# KiCad board brownbox.kicad_pcb (continued)
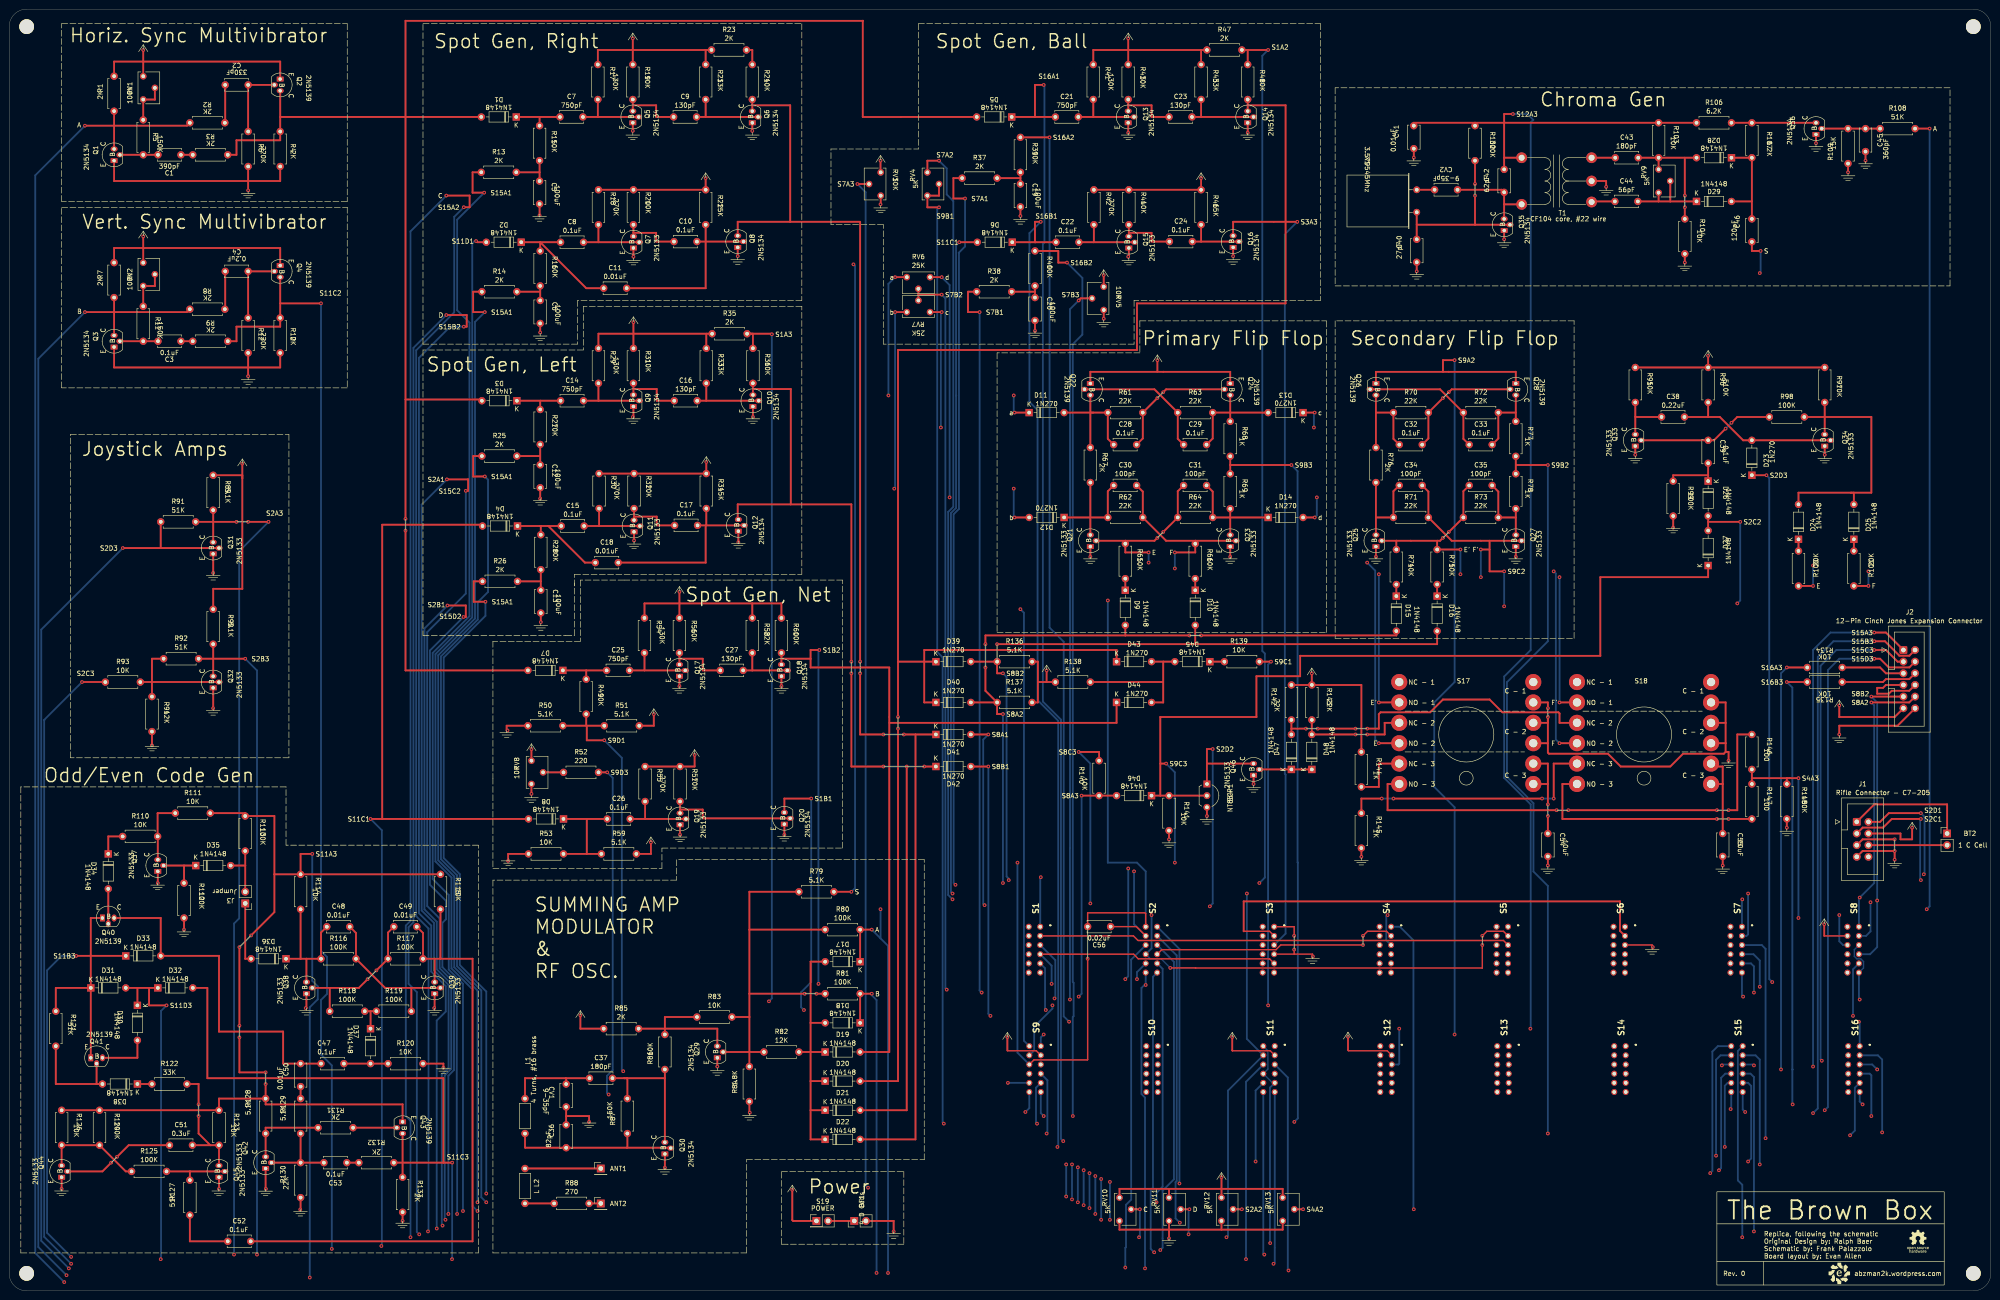
[diagram p0: board, top side]
## Routing (per net, layer and track width the routed paths; a pad name or vN(x,y) marks a point on that pad's centre or on a via; arc(x,y) is an arc through that point) (continued)
S15D3: length 142.1
  Top w0.4: v1(406.4,137.79) 407.67,137.79 409.56,135.91 414.04,135.91 J2.D
  In2.Cu w0.4: v1(375.1,39.62) 375.27,39.78 395.19,39.78 v1(395.61,39.37)
  Bottom w0.4: S15.D3 375.23,39.75 v1(375.1,39.62) ; v1(395.61,39.37) 396.3,40.06 396.3,135.31 398.78,137.79 v1(406.4,137.79)
S16A1: length 451.8
  Top w0.4: D5.1 223.52,255.9 ; 223.52,255.9 223.52,262.89 v1(225.43,262.89) ; 223.52,255.9 C21.1
  In2.Cu w0.4: v1(229.69,32.63) 230.33,31.99 369.56,31.99 372.28,34.7 407.96,34.7 v1(408.12,34.54)
  Bottom w0.4: v1(408.12,34.54) 408.12,50.41 407.2,51.34 S16.A1 ; v1(225.43,262.89) 225.59,262.72 225.59,228.56 225.24,228.21 225.24,128.46 229.18,124.52 229.18,33.14 v1(229.69,32.63)
S16A2: length 378.4
  Top w0.4: R39.1 v1(226.69,251.46)
  In2.Cu w0.4: v1(230.96,58.67) v1(403.04,58.67)
  Bottom w0.4: v1(230.96,58.67) 229.78,59.84 229.78,141.49 226.69,144.58 v1(226.69,251.46) ; S16.A2 403.23,58.49 v1(403.04,58.67)
S16A3: length 118
  Top w0.4: R134.2 v1(387.35,135.89)
  In2.Cu w0.3: v1(386.08,48.26) 386.19,48.14 393.38,48.14 393.57,48.34 406.95,48.34 v1(407.04,48.26)
  Bottom w0.4: v1(386.08,48.26) 386.08,134.62 v1(387.35,135.89) ; S16.A3 405.95,49.34 v1(407.04,48.26)
S16B1: length 406.9
  Top w0.4: 223.66,228.6 223.52,228.6 223.52,233.04 v1(224.79,233.04) ; 223.66,228.6 C22.1 ; 223.66,228.6 D6.1
  In2.Cu w0.4: v1(401.14,33.9) 383.36,33.9 383.19,34.07 372.49,34.07 369.81,31.39 231.17,31.39 231.14,31.37 v1(228.42,31.37)
  Bottom w0.4: S16.B1 402.18,44.29 402.18,34.94 v1(401.14,33.9) ; v1(224.79,233.04) 222.32,230.57 222.32,193.78 224.09,192.02 224.09,128.77 228.58,124.27 228.58,31.53 v1(228.42,31.37)
S16B2: length 384.1
  Top w0.4: v1(230.5,224.15) 228.6,224.15 228.6,226.69 R40.1
  In2.Cu w0.4: v1(405.76,38.1) 405.13,37.46 392.43,37.46 391.8,38.1 v1(231.78,38.1)
  Bottom w0.4: v1(231.78,38.1) 231.76,38.12 231.76,59.69 231.94,59.87 231.94,67.14 231.76,67.33 231.76,206.37 233.85,208.46 233.85,220.81 v1(230.5,224.15) ; v1(405.76,38.1) 405.76,46.99 405.42,47.34 S16.B2
S16B3: length 115.2
  Top w0.4: R135.2 v1(387.35,132.71)
  In2.Cu w0.4: v1(388.62,40.64) v1(403.86,40.64)
  Bottom w0.4: v1(403.86,40.64) 403.23,41.27 S16.B3 ; 388.55,40.71 388.55,48.19 388.62,48.26 388.55,48.33 388.55,131.51 v1(387.35,132.71)
Net-(BT1-+): length 5.7
  Top w0.4: BT1.1 S19.2
Net-(BT2-+): length 27.6
  Top w0.4: J1.A 406.4,106.04 422.28,106.04 BT2.1
Net-(BT2--): length 17.1
  Top w0.4: J1.F BT2.2
Net-(C1-Pad2): length 2.6
  Top w0.4: C1.2 R3.2
Net-(C2-Pad2): length 8.3
  Top w0.4: C2.2 47.07,254.71 R2.1
Net-(C3-Pad2): length 2.6
  Top w0.4: C3.2 R9.2
Net-(C4-Pad2): length 8.3
  Top w0.4: C4.2 47.07,214.07 R8.1
Net-(C5-Pad1): length 9.5
  Top w0.4: R13.2 115.57,243.84 ; 115.57,243.84 C5.1 ; 115.57,243.84 R15.2
Net-(C6-Pad1): length 8.3
  Top w0.4: 115.7,217.8 C6.1 ; 115.7,217.8 R16.2 ; 115.7,217.8 R14.2
Net-(C12-Pad1): length 9.5
  Top w0.4: R25.2 115.7,181.97 ; 115.7,181.97 C12.1 ; 115.7,181.97 R27.2
Net-(C13-Pad1): length 9.5
  Top w0.4: 115.84,154.67 R28.2 ; 115.84,154.67 R26.2 ; 115.84,154.67 C13.1
Net-(C19-Pad1): length 7.6
  Top w0.4: R37.2 220.35,242.57 ; 220.35,242.57 C19.1 ; 220.35,242.57 R39.2
Net-(C20-Pad1): length 7.6
  Top w0.4: C20.1 223.52,217.8 ; 223.52,217.8 R38.2 ; 223.52,217.8 R40.2
Net-(C37-Pad1): length 19.8
  Top w0.4: 121.29,46.35 121.36,46.27 CV1.1 ; 121.29,46.35 C37.1 ; 121.29,46.35 112.39,46.35 L1.2
Net-(C50-Pad1): length 2.6
  Top w0.4: R129.2 C50.1
Net-(C52-Pad1): length 14
  Top w0.4: C52.1 39.37,10.79 R127.1
Net-(C53-Pad2): length 2.6
  Top w0.4: C53.2 R132.2
Net-(C54-Pad1): length 21.6
  Top w0.4: 335.28,110.49 S17.12 ; 335.28,110.49 v1(335.28,106.04) ; 335.28,110.49 335.28,114.93 S17.10 ; v1(335.28,103.5) C54.1
  Bottom w0.4: v1(335.28,106.04) v1(335.28,103.5)
Net-(C55-Pad1): length 19.9
  Top w0.4: 373.38,110.49 C55.1 ; 373.38,110.49 373.38,114.3 371.48,114.3 S18.10 ; 373.38,110.49 S18.12
Net-(CV2-Pad2): length 3.9
  Top w0.4: X1.1 CV2.2
Net-(D1-A): length 399.7
  Top w0.4: 86.36,255.9 86.36,276.86 186.04,276.86 186,276.82 186,255.9 194.31,255.9 194.31,255.9 D5.2 ; 86.36,255.9 D1.2 ; 86.36,255.9 86.36,194.31 ; 86.36,255.9 59.05,255.9 ; v1(86.36,165.73) 86.36,135.25 D7.2 ; Q2.3 59.05,255.9 ; 59.05,255.9 R4.1 59.05,250.82 49.53,250.82 49.53,247.65 R3.1 ; 86.36,194.31 v1(86.36,168.27) ; 86.36,194.31 102.73,194.31 D3.2
  Bottom w0.4: v1(86.36,165.73) v1(86.36,168.27)
Net-(D1-K): length 11.4
  Top w0.4: R15.1 115.57,255.9 ; 115.57,255.9 C7.1 ; 115.57,255.9 D1.1
Net-(D2-K): length 28.5
  Top w0.4: C11.1 125.73,218.57 115.7,228.6 ; 115.7,228.6 R16.1 ; 115.7,228.6 D2.1 ; 115.7,228.6 C8.1
Net-(D3-K): length 11.4
  Top w0.4: D3.1 115.7,194.04 ; 115.7,194.04 C14.1 ; 115.7,194.04 R27.1
Net-(D4-K): length 25
  Top w0.4: R28.1 115.84,166.73 ; 115.84,166.73 D4.1 ; 115.84,166.73 117.48,166.73 ; 117.48,166.73 C15.1 ; 117.48,166.73 125.46,158.75 C18.1
Net-(D7-K): length 11.4
  Top w0.4: 125.73,135.25 C25.1 ; 125.73,135.25 D7.1 ; 125.73,135.25 R49.1
Net-(D8-K): length 25.4
  Top w0.4: D8.1 125.86,102.87 ; 125.86,102.87 125.86,95.25 ; 125.86,102.87 C26.1 ; 125.86,95.25 R53.2 ; 125.86,95.25 R59.1
Net-(D9-K): length 2.5
  Top w0.4: R65.2 D9.1
Net-(D10-K): length 2.5
  Top w0.4: R66.2 D10.1
Net-(D11-A): length 29.1
  Top w0.4: 235.59,191.45 R61.1 239.4,185.74 C28.1 ; 235.59,191.45 Q22.3 ; 235.59,191.45 R67.1 ; D11.2 236.22,191.45
Net-(D12-K): length 28.5
  Top w0.4: Q21.3 235.59,168.59 ; 235.59,168.59 R62.1 239.4,174.31 C30.1 ; 235.59,168.59 D12.1 ; 235.59,168.59 R67.2
Net-(D13-A): length 25.3
  Top w0.4: Q24.3 266.06,191.45 ; 266.06,191.45 R68.1 ; 266.06,191.45 D13.2 ; 266.06,191.45 R63.2 262.25,185.82 C29.2
Net-(D14-K): length 25.3
  Top w0.4: 266.06,168.59 D14.1 ; 266.06,168.59 R64.2 262.25,174.23 C31.2 ; 266.06,168.59 R69.2 ; 266.06,168.59 Q23.3
Net-(D15-K): length 2.5
  Top w0.4: R74.2 D15.1
Net-(D16-K): length 2.5
  Top w0.4: R75.2 D16.1
Net-(D17-A): length 60.3
  Top w0.4: 174.62,52.07 174.62,45.72 ; 174.62,52.07 D19.1 ; 174.62,52.07 174.62,58.42 ; 174.62,52.07 R82.2 ; 174.62,45.72 D20.1 ; 174.62,45.72 174.62,39.37 ; D21.1 174.62,39.37 ; 174.62,39.37 174.62,33.02 D22.1 ; 174.62,58.42 D18.2 ; 174.62,58.42 174.62,71.75 D17.2
Net-(D21-A): length 224.7
  Top w0.4: 170.31,171.45 170.31,196.58 162.06,196.58 ; 170.31,171.45 183.51,171.45 v1(183.51,137.16) ; 170.31,171.45 158.75,171.45 158.75,168.27 Q12.3 ; v1(190.5,114.3) 183.51,114.3 v1(183.51,134.62) ; v1(199.39,114.3) D42.1 ; v1(195.58,114.3) 195.58,39.37 D21.2 ; 162.06,196.58 R36.2 ; 162.06,196.58 Q10.3
  Bottom w0.4: v1(199.39,114.3) v1(195.58,114.3) v1(190.5,114.3) ; v1(183.51,134.62) v1(183.51,137.16)
Net-(D22-A): length 294.5
  Top w0.4: 161.93,258.44 R24.2 ; 161.93,258.44 170.18,258.44 170.18,233.04 ; 161.93,258.44 Q6.3 ; D22.2 197.49,33.02 197.49,121.28 ; 197.49,121.28 v1(194.94,121.28) ; 197.49,121.28 D41.1 ; v1(185.42,134.62) 185.42,121.28 v1(190.5,121.28) ; Q8.3 158.75,233.04 170.18,233.04 ; 170.18,233.04 185.42,233.04 v1(185.42,137.16)
  Bottom w0.4: v1(194.94,121.28) v1(190.5,121.28) ; v1(185.42,134.62) v1(185.42,137.16)
Net-(D23-A): length 37.1
  Top w0.4: 370.2,190.5 R96.2 ; 370.2,190.5 372.75,190.5 377.82,185.42 D23.2 Q34.2 ; 370.2,190.5 C38.2
Net-(D24-A): length 59.7
  Top w0.4: D25.2 401.95,173.99 401.32,173.99 ; 401.32,173.99 389.89,173.99 D24.2 ; 401.32,173.99 405.76,173.99 405.76,190.5 395.61,190.5 ; Q34.3 395.61,190.5 ; 395.61,190.5 R97.2 ; 395.61,190.5 R98.2
Net-(D24-K): length 2.5
  Top w0.4: D24.1 R100.2
Net-(D25-K): length 2.5
  Top w0.4: D25.1 R101.2
Net-(D26-K): length 12.8
  Top w0.4: 370.2,177.8 362.59,177.8 R99.1 ; 370.2,177.8 D26.1 ; 370.2,177.8 C39.2
Net-(D28-A): length 28.6
  Top w0.4: R103.2 D28.2 ; R103.2 C43.2 ; R103.2 RV9.1 ; R104.1 v1(365.12,236.22) ; v1(365.12,238.76) 365.12,247.01
  Bottom w0.4: v1(365.12,236.22) v1(365.12,238.76)
Net-(D28-K): length 22.2
  Top w0.4: 379.73,237.49 R107.2 D28.1 ; 379.73,237.49 D29.2 ; 379.73,237.49 C46.2
Net-(D29-K): length 19.1
  Top w0.4: RV9.2 361.95,237.49 ; 361.95,237.49 359.41,237.49 ; 361.95,237.49 D29.1 ; C44.2 359.41,237.49 ; 359.41,237.49 RV9.3
Net-(D30-A): length 11.4
  Top w0.4: D30.2 27.94,50.8 20.32,50.8
Net-(D33-A): length 76.8
  Top w0.4: Q40.3 33.02,81.28 D33.2 45.72,73.02 45.72,56.51 59.69,56.51 59.69,49.53 C50.2 C47.1
Net-(D34-A): length 7.6
  Top w0.4: 21.59,80.01 D34.2
Net-(D34-K): length 6.9
  Top w0.4: D34.1 21.59,99.06 R110.1
Net-(D35-A): length 12.1
  Top w0.4: 48.26,92.71 51.44,92.71 ; 51.44,92.71 J3.2 ; 51.44,92.71 R113.2
Net-(D35-K): length 10.8
  Top w0.4: Q37.2 38.1,92.71 ; 38.1,92.71 D35.1 ; 38.1,92.71 R112.1
Net-(D36-A): length 13.3
  Top w0.4: D36.2 51.44,72.39 J3.1
Net-(D36-K): length 31
  Top w0.4: R114.2 63.5,72.39 ; 63.5,72.39 D36.1 ; 63.5,72.39 64.77,72.39 ; 64.77,72.39 R116.1 67.95,78.1 C48.1 ; 64.77,72.39 Q38.3
Net-(D37-A): length 9.6
  Top w0.4: R120.1 D37.2 C47.2
Net-(D37-K): length 6.4
  Top w0.4: D37.1 78.74,60.96 ; 78.74,60.96 R118.2 ; 78.74,60.96 R119.1
Net-(D38-A): length 22.9
  Top w0.4: Q41.2 19.05,45.08 ; 19.05,45.08 D38.2 ; 19.05,45.08 10.16,45.08 R121.2
Net-(D38-K): length 3.2
  Top w0.4: R122.1 D38.1
Net-(D43-A): length 32.4
  Top w0.4: 251.46,137.16 D45.2 ; 251.46,137.16 D43.2 ; 251.46,137.16 251.46,132.71 ; D44.2 251.46,128.27 251.46,132.71 ; 251.46,132.71 R138.2
Net-(D45-K): length 3.2
  Top w0.4: D45.1 R139.1
Net-(D47-A): length 73.2
  Top w0.4: D47.2 279.4,122.55 ; 279.4,122.55 R142.2 ; 279.4,122.55 v1(282.57,122.55) ; v1(295.91,122.55) 298.45,122.55 298.45,125.73 298.84,126.12 309.63,126.12 312.42,128.9 322.58,128.9 325.37,126.12 337.57,126.12 337.82,125.87 337.82,123.82 S18.5 ; v1(285.12,122.55) v1(293.37,122.55)
  Bottom w0.4: v1(282.57,122.55) v1(285.12,122.55) ; v1(293.37,122.55) v1(295.91,122.55)
Net-(D47-K): length 11.4
  Top w0.4: D48.1 D47.1 Q46.2
Net-(D48-A): length 24.8
  Top w0.4: R143.2 D48.2 v1(293.37,121.28) ; S17.5 299.72,123.82 299.72,121.28 v1(295.91,121.28)
  Bottom w0.4: v1(293.37,121.28) v1(295.91,121.28)
Net-(J2-Pin_E): length 13.9
  Top w0.4: R134.1 407.67,135.89 408.94,134.62 J2.E
Net-(J2-Pin_F): length 16.7
  Top w0.4: J2.F 414.02,133.35 408.94,133.35 408.31,132.71 R135.1
Net-(J2-Pin_G): length 16.3
  Top w0.4: J2.H 414.02,130.81 410.21,130.81 409.57,130.17 407.04,130.17 407.04,131.44 408.31,131.44 408.94,132.08 J2.G
Net-(L2-Pad1): length 6.3
  Top w0.4: R88.1 L2.1
Net-(L2-Pad2): length 16.5
  Top w0.4: L2.2 TP1.1
Net-(Q1-B): length 8.3
  Top w0.4: Q1.2 R5.2 C1.1
Net-(Q2-B): length 15.9
  Top w0.4: R6.1 C2.1 Q2.2
Net-(Q3-B): length 8.3
  Top w0.4: C3.1 R11.2 Q3.2
Net-(Q4-B): length 15.9
  Top w0.4: R12.1 C4.1 Q4.2
Net-(Q5-B): length 16
  Top w0.4: R17.2 128.27,255.9 ; 128.27,255.9 C7.2 ; 128.27,255.9 Q5.2
Net-(Q5-C): length 14
  Top w0.4: C9.1 140.97,255.9 140.97,258.44 135.89,258.44 ; 135.89,258.44 Q5.3 ; 135.89,258.44 R19.2
Net-(Q6-B): length 17.2
  Top w0.4: Q6.2 151.76,255.9 ; 151.76,255.9 C9.2 ; 151.76,255.9 R21.2
Net-(Q7-B): length 16
  Top w0.4: Q7.2 128.4,228.6 ; 128.4,228.6 C8.2 ; 128.4,228.6 R18.2
Net-(Q7-C): length 13.3
  Top w0.4: R20.2 136.02,230.64 ; 136.02,230.64 136.02,229.87 ; 136.02,230.64 140.97,230.64 140.97,228.73 C10.1
Net-(Q8-B): length 41.2
  Top w0.4: C10.2 151.76,228.73 ; 151.76,228.73 R22.2 ; 151.76,228.73 Q8.2 ; 151.76,228.73 151.76,218.57 C11.2
Net-(Q9-B): length 16
  Top w0.4: Q9.2 128.4,194.04 ; 128.4,194.04 C14.2 ; 128.4,194.04 R29.2
Net-(Q9-C): length 14
  Top w0.4: 136.02,196.58 R31.2 ; 136.02,196.58 141.11,196.58 141.11,194.04 C16.1 ; 136.02,196.58 Q9.3
Net-(Q10-B): length 17.2
  Top w0.4: R33.2 151.9,194.04 ; 151.9,194.04 Q10.2 ; 151.9,194.04 C16.2
Net-(Q11-B): length 16
  Top w0.4: R30.2 128.54,166.73 ; 128.54,166.73 Q11.2 ; 128.54,166.73 C15.2
Net-(Q11-C): length 13.3
  Top w0.4: 136.16,168.77 R32.2 ; 136.16,168.77 141.11,168.77 141.11,166.87 C17.1 ; 136.16,168.77 Q11.3
Net-(Q12-B): length 41
  Top w0.4: 151.76,166.87 151.9,166.87 ; 151.76,166.87 C17.2 ; 151.76,166.87 151.76,158.75 C18.2 ; 151.9,166.87 R34.2 ; 151.9,166.87 160.15,166.87
Net-(Q13-B): length 16
  Top w0.4: 236.22,255.9 C21.2 ; 236.22,255.9 R41.2 ; 236.22,255.9 Q13.2
Net-(Q13-C): length 14
  Top w0.4: Q13.3 243.84,258.44 ; 243.84,258.44 248.92,258.44 248.92,255.9 C23.1 ; 243.84,258.44 R43.2
Net-(Q14-B): length 17.2
  Top w0.4: R45.2 259.72,255.9 ; 259.72,255.9 C23.2 ; 259.72,255.9 Q14.2
Net-(Q15-B): length 16
  Top w0.4: 236.36,228.6 C22.2 ; 236.36,228.6 Q15.2 ; 236.36,228.6 R42.2
Net-(Q15-C): length 13.3
  Top w0.4: C24.1 248.92,228.73 248.92,230.64 243.98,230.64 ; 243.98,229.87 243.98,230.64 ; 243.98,230.64 R44.2
Net-(Q16-B): length 13.8
  Top w0.4: C24.2 259.72,228.73 ; 259.72,228.73 R46.2 ; 259.72,228.73 267.97,228.73
Net-(Q17-B): length 16
  Top w0.4: 138.43,135.25 C25.2 ; 138.43,135.25 R54.2 ; 138.43,135.25 Q17.2
Net-(Q17-C): length 14
  Top w0.4: Q17.3 146.05,137.79 ; 146.05,137.79 151.13,137.79 151.13,135.25 C27.1 ; 146.05,137.79 R56.2
Net-(Q18-B): length 13.4
  Top w0.4: 161.93,135.25 C27.2 ; 161.93,135.25 R58.2 ; 161.93,135.25 Q18.2
Net-(Q19-B): length 16
  Top w0.4: 138.56,102.87 C26.2 ; 138.56,102.87 R55.2 ; 138.56,102.87 147.45,102.87
Net-(Q19-C): length 28.4
  Top w0.4: Q19.3 146.19,104.91 ; 146.19,104.91 R57.2 ; 146.19,104.91 151.13,104.91 151.13,103 170.18,103
Net-(Q22-B): length 29.9
  Top w0.4: Q22.2 249.56,196.53 R63.1 254.63,185.74 C29.1
Net-(Q24-B): length 27.4
  Top w0.4: v1(250.19,194.63) R61.2 247.01,185.82 C28.2 ; Q24.2 252.1,196.53 v1(251.46,195.9)
  Bottom w0.4: v1(250.19,194.63) v1(251.46,195.9)
Net-(Q25-C): length 22.8
  Top w0.4: C34.1 301.62,174.31 R71.1 297.81,168.59 ; Q25.3 297.81,168.59 ; 297.81,168.59 R76.2
Net-(Q26-B): length 29.9
  Top w0.4: Q26.2 311.79,196.53 R72.1 316.87,185.74 C33.1
Net-(Q26-C): length 22.8
  Top w0.4: Q26.3 297.81,191.45 ; 297.81,191.45 R70.1 301.62,185.74 C32.1 ; 297.81,191.45 R76.1
Net-(Q27-C): length 17.1
  Top w0.4: 328.3,168.59 R73.2 324.49,174.23 C35.2 ; 328.3,168.59 Q27.3 ; 328.3,168.59 R78.2
Net-(Q28-B): length 27.4
  Top w0.4: Q28.2 314.32,196.53 v1(313.69,195.9) ; v1(312.42,194.63) R70.2 309.25,185.82 C32.2
  Bottom w0.4: v1(312.42,194.63) v1(313.69,195.9)
Net-(Q28-C): length 17.1
  Top w0.4: Q28.3 328.3,191.45 ; 328.3,191.45 R77.1 ; 328.3,191.45 R72.2 324.49,185.82 C33.2
Net-(Q29-B): length 94.6
  Top w0.4: 161.29,52.07 Q29.2 ; 161.29,52.07 161.29,59.69 ; 161.29,52.07 R82.1 ; 161.29,52.07 R84.2 ; R81.1 v1(175.89,64.77) ; 161.29,64.77 v1(173.36,64.77) ; 161.29,64.77 161.29,78.74 ; 161.29,64.77 161.29,59.69 ; 161.29,78.74 R80.1 ; 161.29,78.74 161.29,86.99 R79.1 ; 161.29,59.69 R83.2
  Bottom w0.4: v1(175.89,64.77) v1(173.36,64.77)
Net-(Q29-C): length 31.8
  Top w0.4: R85.2 142.88,57.15 ; 142.88,57.15 142.88,59.69 R83.1 ; 142.88,57.15 R86.2 ; 142.88,57.15 154.31,57.15 Q29.3
Net-(Q30-B): length 38
  Top w0.4: L1.1 112.39,31.27 112.48,31.19 C36.1 134.62,31.19 ; 134.62,31.19 144.06,31.19 Q30.2 ; 134.62,31.19 134.7,31.27 R87.1
Net-(Q30-C): length 32.4
  Top w0.4: 133.99,46.35 134.62,46.35 134.7,46.27 R87.2 ; 133.99,46.35 142.88,46.35 ; 133.99,46.35 C37.2 ; Q30.3 142.88,46.35 ; 142.88,46.35 R86.1
Net-(Q32-B): length 27.9
  Top w0.4: R93.2 31.11,132.71 ; 31.11,132.71 31.11,137.79 R92.1 ; 31.11,132.71 R94.1 ; 31.11,132.71 Q32.2
Net-(Q33-B): length 30
  Top w0.4: v1(375.29,189.23) 376.56,190.5 R98.1 ; v1(374.01,187.96) 371.48,185.42 C39.1 Q33.2
  Bottom w0.4: v1(374.01,187.96) v1(375.29,189.23)
Net-(Q33-C): length 12.7
  Top w0.4: R95.2 354.33,190.5 ; 354.33,190.5 Q33.3 ; 354.33,190.5 C38.1
Net-(Q35-B): length 40.2
  Top w0.4: 319.41,232.41 306.7,232.41 ; 319.41,232.41 v1(319.41,238.76) ; 319.41,232.41 Q35.2 ; 306.7,232.41 X1.2 ; 306.7,232.41 C40.2 ; R102.2 v1(319.41,241.3)
  Bottom w0.4: v1(319.41,241.3) v1(319.41,238.76)
Net-(Q35-C): length 20
  Top w0.4: CV2.1 325.2,240.03 C42.1 325.75,236.85 ; 325.75,236.85 Q35.3 ; 325.75,236.85 T1.2
Net-(Q36-B): length 12.7
  Top w0.4: 394.97,253.36 R109.2 C45.2 R108.1
Net-(Q36-C): length 18.4
  Top w0.4: R106.2 R107.1 Q36.3
Net-(Q37-C): length 14
  Top w0.4: 32.38,93.98 32.38,99.02 R110.2 32.34,104.1 32.38,104.14 R111.1
Net-(Q38-B): length 31.7
  Top w0.4: R118.1 69.85,66.04 ; 69.85,66.04 Q38.2 ; 69.85,66.04 76.2,66.04 v1(78.11,67.94) ; v1(80.01,69.85) R117.1 82.55,78.1 C49.1
  Bottom w0.4: v1(80.01,69.85) v1(78.11,67.94)
Net-(Q39-B): length 33.7
  Top w0.4: R119.2 87.63,66.04 ; 87.63,66.04 Q39.2 ; 87.63,66.04 81.92,66.04 R116.2 75.56,78.02 C48.2
Net-(Q39-C): length 144.1
  Top w0.4: C49.2 90.17,78.02 R117.2 92.71,72.39 ; 92.71,72.39 Q39.3 ; 92.71,72.39 93.98,72.39 ; R115.2 93.98,72.39 ; 93.98,72.39 100.96,72.39 100.96,10.79 C52.2
Net-(Q42-B): length 17.8
  Top w0.4: R129.1 R130.2 ; R130.2 C53.1 ; R130.2 57.15,27.94
Net-(Q42-C): length 17.8
  Top w0.4: Q42.3 R128.1 55.88,35.56 67.31,35.56
Net-(Q43-B): length 9.5
  Top w0.4: Q43.2 R131.1
Net-(Q44-B): length 24.6
  Top w0.4: v1(22.22,27.94) 20.32,26.03 Q44.2 ; v1(23.49,29.21) 26.03,31.75 C51.1
  Bottom w0.4: v1(22.22,27.94) v1(23.49,29.21)
Net-(Q44-C): length 22.1
  Top w0.4: R125.1 25.4,26.03 R124.2 R126.2 Q44.3
Net-(Q45-B): length 14.6
  Top w0.4: 39.37,26.03 Q45.2 ; 39.37,26.03 R127.2 ; 39.37,26.03 R125.2
Net-(Q45-C): length 27.2
  Top w0.4: 43.81,31.75 C51.2 ; 43.81,31.75 R123.2 Q45.3 ; 43.81,31.75 41.27,34.29 v1(41.27,38.1) ; R122.2 41.27,45.08 v1(41.27,40.64)
  Bottom w0.4: v1(41.27,40.64) v1(41.27,38.1)
Net-(R5-Pad1): length 9.5
  Top w0.4: RV1.2 31.75,259.71 31.73,259.7 RV1.3 R5.1
Net-(R11-Pad1): length 9.5
  Top w0.4: RV2.2 31.75,219.07 31.73,219.06 RV2.3 R11.1
Net-(R23-Pad2): length 4.4
  Top w0.4: R23.2 161.93,270.51 R24.1
Net-(R52-Pad1): length 4.4
  Top w0.4: 116.34,113.03 R52.1
Net-(R88-Pad2): length 2.5
  Top w0.4: R88.2 TP2.1
Net-(R144-Pad2): length 13.3
  Top w0.4: S17.9 298.45,114.93 298.45,109.85 R144.2
Net-(R145-Pad1): length 57.8
  Top w0.4: v1(299.09,107.31) 294.64,107.31 R145.1 ; S18.9 336.55,114.93 v1(336.55,107.31) ; v1(334.01,107.31) v1(301.62,107.31)
  Bottom w0.4: v1(336.55,107.31) v1(334.01,107.31) ; v1(301.62,107.31) v1(299.09,107.31)
Net-(R146-Pad1): length 104.1
  Top w0.4: S17.11 300.36,110.49 300.36,104.77 v1(337.19,104.77) ; v1(372.11,104.77) v1(339.73,104.77) ; R146.1 376.56,121.28 376.56,104.77 v1(374.65,104.77)
  Bottom w0.4: v1(374.65,104.77) v1(372.11,104.77) ; v1(339.73,104.77) v1(337.19,104.77)
Net-(R147-Pad2): length 52.1
  Top w0.4: v1(372.11,102.87) 338.45,102.87 338.45,110.49 S18.11 ; R147.2 v1(374.65,102.87)
  Bottom w0.4: v1(372.11,102.87) v1(374.65,102.87)
Net-(S1-PadA1): length 102.8
  Top w0.3: S5.A3 325.6,76.38 245.98,76.38 244.98,77.38 S1.A1
Net-(S2-PadB2): length 54.6
  Top w0.3: S4.A1 300.12,78.38 295.98,78.38 v1(295,77.4) ; v1(295,75.4) 277.07,75.4 276.05,74.38 251.15,74.38 S2.B2
  Bottom w0.3: v1(295,77.4) v1(295,75.4)
Net-(S3-PadA1): length 103.5
  Top w0.3: S3.A1 274.63,78.38 269.03,78.38
  Top w0.4: 269.03,78.38 269,78.4 269,84.9 351,84.9 351,78.46 S6.A1
Net-(T1-SA): length 5.1
  Top w0.4: T1.3 344.93,237.49 C44.1
Net-(T1-SB): length 5.2
  Top w0.4: C43.1 T1.5

## Copper pours and planes (outline as drawn; the poured copper is in the pictures)
GNDREF on In1.Cu: -11,288.9 446.5,301.9 450,-24.1 -26.5,-26.1 -11,288.4
VCC on In2.Cu: 442,288.9 -4,284.9 -6.5,-8.1 443,-11.6

## Text on the board
F.Silkscreen: S11B3 | S2C3 | A | B | S2D3 | S11D3 | S2B3 | S2A3 | S11A3 | S11C2 | S11C1 | S2A1 | S2B1 | C | S15A2 | D | S15B2 | S15C2 | S15D2 | S11C3 | S11D1 | S15A1 | S9D1 | ANT1 | ANT2 | S9D3 | S1A3 | S1B1 | S1B2 | S7A3 | S | a | b | S7A2 | S9B1 | d | S7B2 | c | S7A1 | S7B1 | S8A1 | S8B1 | S8B2 | S8A2 | S16B1 | S16A1 | S16A2 | S8C3 | S7B3 | S8A3 | S16B2 | E | F | S9C3 | S2D2 | S2A2 | S1A2 | S9C1 | S9B3 | S3A3 | S4A2 | E' | S9A2 | F' | S9C2 | S12A3 | S9B2 | Rev. 0 | S2C2 | S16A3 | S16B3 | Replica, following the schematic / Original Design by: Ralph Baer / Schematic by: Frank Palazzolo / Board layout by: Evan Allen | S4A3 | S15A3 | S15B3 | S15C3 | S15D3 | abzman2k.wordpress.com | S2D1 | S2C1 | SUMMING AMP / MODULATOR / & / RF OSC. | Power | Odd/Even Code Gen | Joystick Amps | Horiz. Sync Multivibrator | Vert. Sync Multivibrator | Spot Gen, Left | Spot Gen, Right | Spot Gen, Net | Spot Gen, Ball | Primary Flip Flop | Secondary Flip Flop | Chroma Gen | The Brown Box
